# KiCad board processed.kicad_pcb (continued)
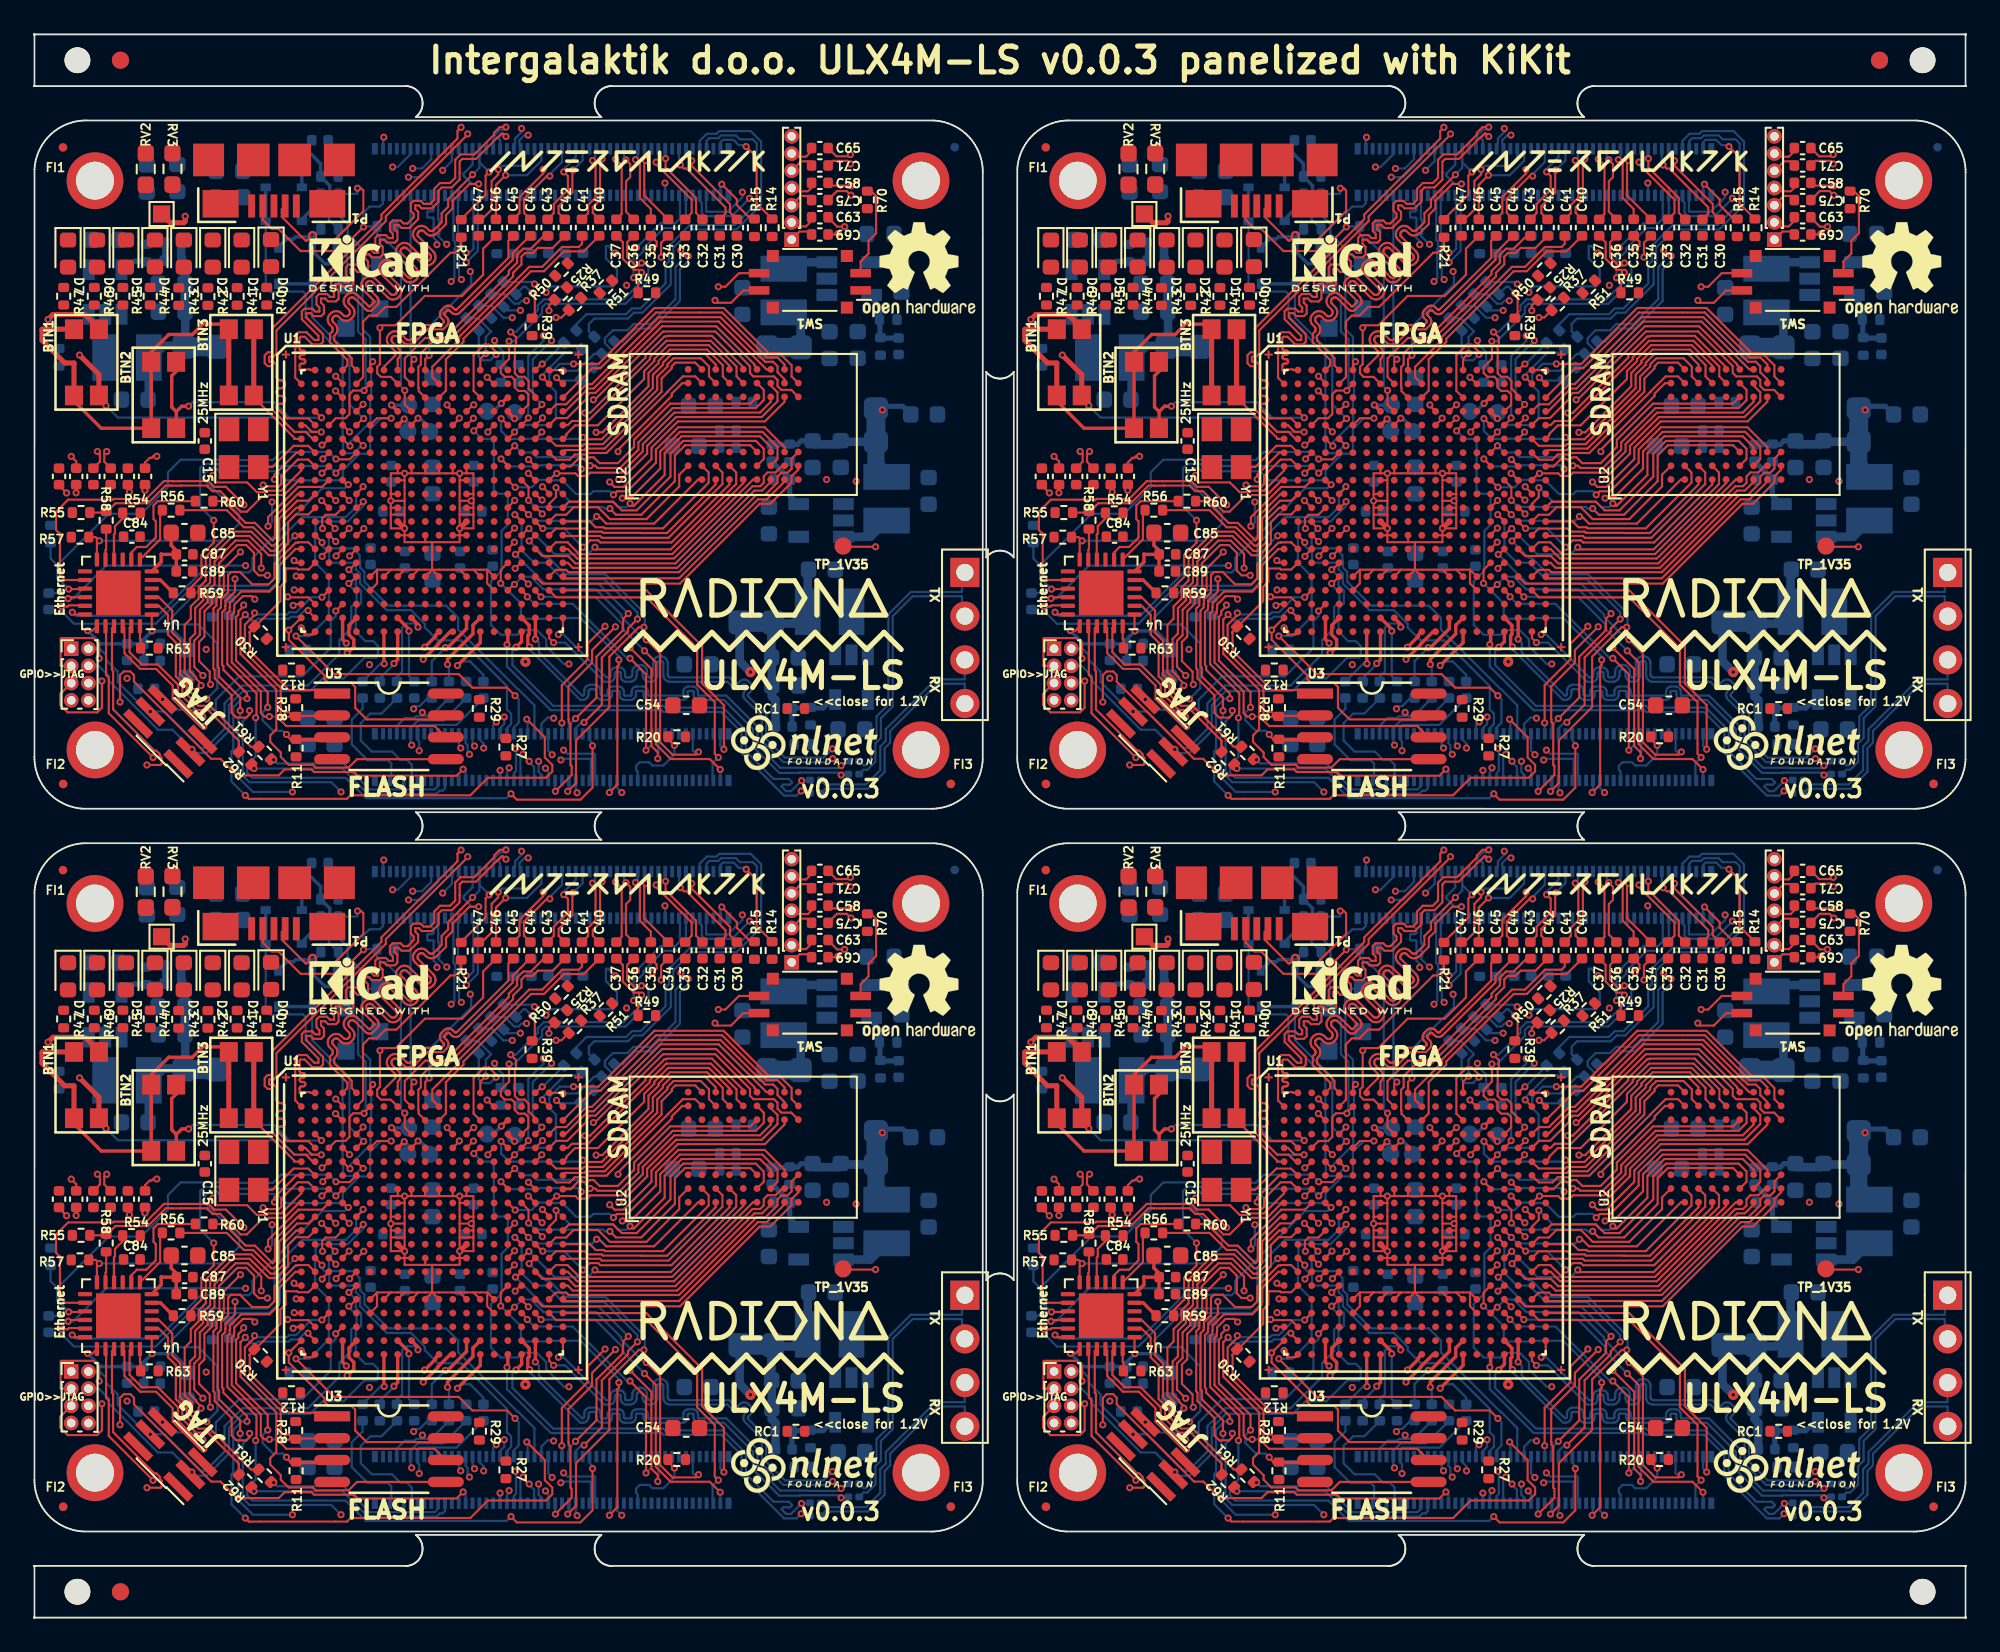
[diagram p0: board, top side]
## Placement (name value [footprint] x y rotation side) (continued)
TP_1V35#4  1V35  [Testpoint_smd_1mm]  104.1 20.21 0 top
TP_C16  C16  [Testpoint_smd_1mm]  26.3 70.15 0 bottom
TP_C16#2  C16  [Testpoint_smd_1mm]  83.41 70.15 0 bottom
TP_C16#3  C16  [Testpoint_smd_1mm]  26.3 28.15 0 bottom
TP_C16#4  C16  [Testpoint_smd_1mm]  83.41 28.15 0 bottom
TP_D8  D8  [Testpoint_smd_1mm]  21.75 70.51 0 bottom
TP_D8#2  D8  [Testpoint_smd_1mm]  78.86 70.51 0 bottom
TP_D8#3  D8  [Testpoint_smd_1mm]  21.75 28.5 0 bottom
TP_D8#4  D8  [Testpoint_smd_1mm]  78.86 28.5 0 bottom
TP_D16  D16  [Testpoint_smd_1mm]  27.91 70.08 0 bottom
TP_D16#2  D16  [Testpoint_smd_1mm]  85.02 70.08 0 bottom
TP_D16#3  D16  [Testpoint_smd_1mm]  27.91 28.08 0 bottom
TP_D16#4  D16  [Testpoint_smd_1mm]  85.02 28.08 0 bottom
TP_E8  E8  [Testpoint_smd_1mm]  21.7 69 0 bottom
TP_E8#2  E8  [Testpoint_smd_1mm]  78.81 69 0 bottom
TP_E8#3  E8  [Testpoint_smd_1mm]  21.7 27 0 bottom
TP_E8#4  E8  [Testpoint_smd_1mm]  78.81 27 0 bottom
TP_E9  E9  [Testpoint_smd_1mm]  22.97 68.98 0 bottom
TP_E9#2  E9  [Testpoint_smd_1mm]  80.08 68.98 0 bottom
TP_E9#3  E9  [Testpoint_smd_1mm]  22.97 26.97 0 bottom
TP_E9#4  E9  [Testpoint_smd_1mm]  80.08 26.97 0 bottom
U1  LFE5U-85F-6BG381C  [BGA-381_pitch0.8mm_dia0.4mm]  23.11 64.9 0 top
U1#2  LFE5U-85F-6BG381C  [BGA-381_pitch0.8mm_dia0.4mm]  80.22 64.9 0 top
U1#3  LFE5U-85F-6BG381C  [BGA-381_pitch0.8mm_dia0.4mm]  23.11 22.89 0 top
U1#4  LFE5U-85F-6BG381C  [BGA-381_pitch0.8mm_dia0.4mm]  80.22 22.89 0 top
U2  -  [IS42S16320D-6BLI]  41.19 69.34 90 top
U2#2  -  [IS42S16320D-6BLI]  98.3 69.34 90 top
U2#3  -  [IS42S16320D-6BLI]  41.19 27.33 90 top
U2#4  -  [IS42S16320D-6BLI]  98.3 27.33 90 top
U3  IS25LP128F-JBLE  [SOA008-150-208mil]  20.6 51.79 0 top
U3#2  IS25LP128F-JBLE  [SOA008-150-208mil]  77.71 51.79 0 top
U3#3  IS25LP128F-JBLE  [SOA008-150-208mil]  20.6 9.79 0 top
U3#4  IS25LP128F-JBLE  [SOA008-150-208mil]  77.71 9.79 0 top
U4  LAN8720A  [QFN-24-1EP_4x4mm_P0.5mm_EP2.6x2.6mm]  4.88 59.55 180 top
U4#2  LAN8720A  [QFN-24-1EP_4x4mm_P0.5mm_EP2.6x2.6mm]  61.99 59.55 180 top
U4#3  LAN8720A  [QFN-24-1EP_4x4mm_P0.5mm_EP2.6x2.6mm]  4.88 17.54 180 top
U4#4  LAN8720A  [QFN-24-1EP_4x4mm_P0.5mm_EP2.6x2.6mm]  61.99 17.54 180 top
U5  TLV62569DBV  [TSOT-25]  47.48 54.65 0 bottom
U5#2  TLV62569DBV  [TSOT-25]  104.59 54.65 0 bottom
U5#3  TLV62569DBV  [TSOT-25]  47.48 12.64 0 bottom
U5#4  TLV62569DBV  [TSOT-25]  104.59 12.64 0 bottom
U6  TLV62569DBV  [TSOT-25]  4.11 77.03 180 bottom
U6#2  TLV62569DBV  [TSOT-25]  61.22 77.03 180 bottom
U6#3  TLV62569DBV  [TSOT-25]  4.11 35.03 180 bottom
U6#4  TLV62569DBV  [TSOT-25]  61.22 35.03 180 bottom
U7  TLV62569DBV  [TSOT-25]  47.35 77.81 90 bottom
U7#2  TLV62569DBV  [TSOT-25]  104.46 77.81 90 bottom
U7#3  TLV62569DBV  [TSOT-25]  104.46 35.81 90 bottom
U7#4  TLV62569DBV  [TSOT-25]  47.35 35.81 90 bottom
U8  TLV62569DBV  [TSOT-25]  45.71 63.76 270 bottom
U8#2  TLV62569DBV  [TSOT-25]  102.82 63.76 270 bottom
U8#3  TLV62569DBV  [TSOT-25]  102.82 21.75 270 bottom
U8#4  TLV62569DBV  [TSOT-25]  45.71 21.75 270 bottom
Y1  FNETHE025  [Crystal_SMD_TXC_7M-4Pin_3.2x2.5mm]  12.16 67.96 270 top
Y1#2  FNETHE025  [Crystal_SMD_TXC_7M-4Pin_3.2x2.5mm]  69.27 67.96 270 top
Y1#3  FNETHE025  [Crystal_SMD_TXC_7M-4Pin_3.2x2.5mm]  69.27 25.95 270 top
Y1#4  FNETHE025  [Crystal_SMD_TXC_7M-4Pin_3.2x2.5mm]  12.16 25.95 270 top

## Footprints (pads in the part's own frame, mm; a bottom-side part is the same pattern mirrored in y, then rotated)
BGA-381_pitch0.8mm_dia0.4mm
  round 0.4 smd: A2(-6.8,7.6) A3(-6,7.6) A4(-5.2,7.6) A5(-4.4,7.6) A6(-3.6,7.6) A7(-2.8,7.6) A8(-2,7.6) A9(-1.2,7.6) A10(-0.4,7.6) A11(0.4,7.6) A12(1.2,7.6) A13(2,7.6) A14(2.8,7.6) A15(3.6,7.6) A16(4.4,7.6) A17(5.2,7.6) A18(6,7.6) A19(6.8,7.6) B1(-7.6,6.8) B2(-6.8,6.8) B3(-6,6.8) B4(-5.2,6.8) B5(-4.4,6.8) B6(-3.6,6.8) B7(-2.8,6.8) B8(-2,6.8) B9(-1.2,6.8) B10(-0.4,6.8) B11(0.4,6.8) B12(1.2,6.8) B13(2,6.8) B14(2.8,6.8) B15(3.6,6.8) B16(4.4,6.8) B17(5.2,6.8) B18(6,6.8) B19(6.8,6.8) B20(7.6,6.8) C1(-7.6,6) C2(-6.8,6) C3(-6,6) C4(-5.2,6) C5(-4.4,6) C6(-3.6,6) C7(-2.8,6) C8(-2,6) C9(-1.2,6) C10(-0.4,6) C11(0.4,6) C12(1.2,6) C13(2,6) C14(2.8,6) C15(3.6,6) C16(4.4,6) C17(5.2,6) C18(6,6) C19(6.8,6) C20(7.6,6) D1(-7.6,5.2) D2(-6.8,5.2) D3(-6,5.2) D4(-5.2,5.2) D5(-4.4,5.2) D6(-3.6,5.2) D7(-2.8,5.2) D8(-2,5.2) D9(-1.2,5.2) D10(-0.4,5.2) D11(0.4,5.2) D12(1.2,5.2) D13(2,5.2) D14(2.8,5.2) D15(3.6,5.2) D16(4.4,5.2) D17(5.2,5.2) D18(6,5.2) D19(6.8,5.2) D20(7.6,5.2) E1(-7.6,4.4) E2(-6.8,4.4) E3(-6,4.4) E4(-5.2,4.4) E5(-4.4,4.4) E6(-3.6,4.4) E7(-2.8,4.4) E8(-2,4.4) E9(-1.2,4.4) E10(-0.4,4.4) E11(0.4,4.4) E12(1.2,4.4) E13(2,4.4) E14(2.8,4.4) E15(3.6,4.4) E16(4.4,4.4) E17(5.2,4.4) E18(6,4.4) E19(6.8,4.4) E20(7.6,4.4) F1(-7.6,3.6) F2(-6.8,3.6) F3(-6,3.6) F4(-5.2,3.6) F5(-4.4,3.6) F6(-3.6,3.6) F7(-2.8,3.6) F8(-2,3.6) F9(-1.2,3.6) F10(-0.4,3.6) F11(0.4,3.6) F12(1.2,3.6) F13(2,3.6) F14(2.8,3.6) F15(3.6,3.6) F16(4.4,3.6) F17(5.2,3.6) F18(6,3.6) F19(6.8,3.6) F20(7.6,3.6) G1(-7.6,2.8) G2(-6.8,2.8) G3(-6,2.8) G4(-5.2,2.8) G5(-4.4,2.8) G6(-3.6,2.8) G7(-2.8,2.8) G8(-2,2.8) G9(-1.2,2.8) G10(-0.4,2.8) G11(0.4,2.8) G12(1.2,2.8) G13(2,2.8) G14(2.8,2.8) G15(3.6,2.8) G16(4.4,2.8) G17(5.2,2.8) G18(6,2.8) G19(6.8,2.8) G20(7.6,2.8) H1(-7.6,2) H2(-6.8,2) H3(-6,2) H4(-5.2,2) H5(-4.4,2) H6(-3.6,2) H7(-2.8,2) H8(-2,2) H9(-1.2,2) H10(-0.4,2) H11(0.4,2) H12(1.2,2) H13(2,2) H14(2.8,2) H15(3.6,2) H16(4.4,2) H17(5.2,2) H18(6,2) H19(6.8,2) H20(7.6,2) J1(-7.6,1.2) J2(-6.8,1.2) J3(-6,1.2) J4(-5.2,1.2) J5(-4.4,1.2) J6(-3.6,1.2) J7(-2.8,1.2) J8(-2,1.2) J9(-1.2,1.2) J10(-0.4,1.2) J11(0.4,1.2) J12(1.2,1.2) J13(2,1.2) J14(2.8,1.2) J15(3.6,1.2) J16(4.4,1.2) J17(5.2,1.2) J18(6,1.2) J19(6.8,1.2) J20(7.6,1.2) K1(-7.6,0.4) K2(-6.8,0.4) K3(-6,0.4) K4(-5.2,0.4) K5(-4.4,0.4) K6(-3.6,0.4) K7(-2.8,0.4) K8(-2,0.4) K9(-1.2,0.4) K10(-0.4,0.4) K11(0.4,0.4) K12(1.2,0.4) K13(2,0.4) K14(2.8,0.4) K15(3.6,0.4) K16(4.4,0.4) K17(5.2,0.4) K18(6,0.4) K19(6.8,0.4) K20(7.6,0.4) L1(-7.6,-0.4) L2(-6.8,-0.4) L3(-6,-0.4) L4(-5.2,-0.4) L5(-4.4,-0.4) L6(-3.6,-0.4) L7(-2.8,-0.4) L8(-2,-0.4) L9(-1.2,-0.4) L10(-0.4,-0.4) L11(0.4,-0.4) L12(1.2,-0.4) L13(2,-0.4) L14(2.8,-0.4) L15(3.6,-0.4) L16(4.4,-0.4) L17(5.2,-0.4) L18(6,-0.4) L19(6.8,-0.4) L20(7.6,-0.4) M1(-7.6,-1.2) M2(-6.8,-1.2) M3(-6,-1.2) M4(-5.2,-1.2) M5(-4.4,-1.2) M6(-3.6,-1.2) M7(-2.8,-1.2) M8(-2,-1.2) M9(-1.2,-1.2) M10(-0.4,-1.2) M11(0.4,-1.2) M12(1.2,-1.2) M13(2,-1.2) M14(2.8,-1.2) M15(3.6,-1.2) M16(4.4,-1.2) M17(5.2,-1.2) M18(6,-1.2) M19(6.8,-1.2) M20(7.6,-1.2) N1(-7.6,-2) N2(-6.8,-2) N3(-6,-2) N4(-5.2,-2) N5(-4.4,-2) N6(-3.6,-2) N7(-2.8,-2) N8(-2,-2) N9(-1.2,-2) N10(-0.4,-2) N11(0.4,-2) N12(1.2,-2) N13(2,-2) N14(2.8,-2) N15(3.6,-2) N16(4.4,-2) N17(5.2,-2) N18(6,-2) N19(6.8,-2) N20(7.6,-2) P1(-7.6,-2.8) P2(-6.8,-2.8) P3(-6,-2.8) P4(-5.2,-2.8) P5(-4.4,-2.8) P6(-3.6,-2.8) P7(-2.8,-2.8) P8(-2,-2.8) P9(-1.2,-2.8) P10(-0.4,-2.8) P11(0.4,-2.8) P12(1.2,-2.8) P13(2,-2.8) P14(2.8,-2.8) P15(3.6,-2.8) P16(4.4,-2.8) P17(5.2,-2.8) P18(6,-2.8) P19(6.8,-2.8) P20(7.6,-2.8) R1(-7.6,-3.6) R2(-6.8,-3.6) R3(-6,-3.6) R4(-5.2,-3.6) R5(-4.4,-3.6) R16(4.4,-3.6) R17(5.2,-3.6) R18(6,-3.6) R19(6.8,-3.6) R20(7.6,-3.6) T1(-7.6,-4.4) T2(-6.8,-4.4) T3(-6,-4.4) T4(-5.2,-4.4) T5(-4.4,-4.4) T6(-3.6,-4.4) T7(-2.8,-4.4) T8(-2,-4.4) T9(-1.2,-4.4) T10(-0.4,-4.4) T11(0.4,-4.4) T12(1.2,-4.4) T13(2,-4.4) T14(2.8,-4.4) T15(3.6,-4.4) T16(4.4,-4.4) T17(5.2,-4.4) T18(6,-4.4) T19(6.8,-4.4) T20(7.6,-4.4) U1(-7.6,-5.2) U2(-6.8,-5.2) U3(-6,-5.2) U4(-5.2,-5.2) U5(-4.4,-5.2) U6(-3.6,-5.2) U7(-2.8,-5.2) U8(-2,-5.2) U9(-1.2,-5.2) U10(-0.4,-5.2) U11(0.4,-5.2) U12(1.2,-5.2) U13(2,-5.2) U14(2.8,-5.2) U15(3.6,-5.2) U16(4.4,-5.2) U17(5.2,-5.2) U18(6,-5.2) U19(6.8,-5.2) U20(7.6,-5.2) V1(-7.6,-6) V2(-6.8,-6) V3(-6,-6) V4(-5.2,-6) V5(-4.4,-6) V6(-3.6,-6) V7(-2.8,-6) V8(-2,-6) V9(-1.2,-6) V10(-0.4,-6) V11(0.4,-6) V12(1.2,-6) V13(2,-6) V14(2.8,-6) V15(3.6,-6) V16(4.4,-6) V17(5.2,-6) V18(6,-6) V19(6.8,-6) V20(7.6,-6) W1(-7.6,-6.8) W2(-6.8,-6.8) W3(-6,-6.8) W4(-5.2,-6.8) W5(-4.4,-6.8) W6(-3.6,-6.8) W7(-2.8,-6.8) W8(-2,-6.8) W9(-1.2,-6.8) W10(-0.4,-6.8) W11(0.4,-6.8) W12(1.2,-6.8) W13(2,-6.8) W14(2.8,-6.8) W15(3.6,-6.8) W16(4.4,-6.8) W17(5.2,-6.8) W18(6,-6.8) W19(6.8,-6.8) W20(7.6,-6.8) Y2(-6.8,-7.6) Y3(-6,-7.6) Y5(-4.4,-7.6) Y6(-3.6,-7.6) Y7(-2.8,-7.6) Y8(-2,-7.6) Y11(0.4,-7.6) Y12(1.2,-7.6) Y14(2.8,-7.6) Y15(3.6,-7.6) Y16(4.4,-7.6) Y17(5.2,-7.6) Y19(6.8,-7.6)
  oval 0.127x0.508 smd: X(-8.5,8.5) X(-8.5,-8.5) X(8.5,8.5) X(8.5,-8.5)
  oval 0.508x0.127 smd: X(-8.5,8.5) X(-8.5,-8.5) X(8.5,8.5) X(8.5,-8.5)
C_0201_0603Metric
  rrect 0.318x0.36 smd: (-0.345,0) (0.345,0)
  rrect 0.46x0.4 smd: 1(-0.32,0) 2(0.32,0)
C_0402_1005Metric
  rrect 0.56x0.62 smd: 1(-0.48,0) 2(0.48,0)
C_0603_1608Metric
  rrect 0.9x0.95 smd: 1(-0.775,0) 2(0.775,0)
Crystal_SMD_TXC_7M-4Pin_3.2x2.5mm
  rect 1.4x1.2 smd: 1(-1.1,-0.85) 2(1.1,-0.85) 3(1.1,0.85) 4(-1.1,0.85)
D_SOD-323
  rect 0.6x0.45 smd: 1(-1.05,0) 2(1.05,0)
D_SOD-323_HandSoldering
  rect 1x1 smd: 1(-1.25,0) 2(1.25,0)
Fiducial
  round 1 smd: (0,0)
Fiducial_0.5mm_Mask1mm
  round 0.5 smd: (0,0)
HRS_DF40C-100DP-0.4V(51)
  rect 0.23x0.66 smd: 1(-9.8,1.355) 2(-9.8,-1.355) 3(-9.4,1.355) 4(-9.4,-1.355) 5(-9,1.355) 6(-9,-1.355) 7(-8.6,1.355) 8(-8.6,-1.355) 9(-8.2,1.355) 10(-8.2,-1.355) 11(-7.8,1.355) 12(-7.8,-1.355) 13(-7.4,1.355) 14(-7.4,-1.355) 15(-7,1.355) 16(-7,-1.355) 17(-6.6,1.355) 18(-6.6,-1.355) 19(-6.2,1.355) 20(-6.2,-1.355) 21(-5.8,1.355) 22(-5.8,-1.355) 23(-5.4,1.355) 24(-5.4,-1.355) 25(-5,1.355) 26(-5,-1.355) 27(-4.6,1.355) 28(-4.6,-1.355) 29(-4.2,1.355) 30(-4.2,-1.355) 31(-3.8,1.355) 32(-3.8,-1.355) 33(-3.4,1.355) 34(-3.4,-1.355) 35(-3,1.355) 36(-3,-1.355) 37(-2.6,1.355) 38(-2.6,-1.355) 39(-2.2,1.355) 40(-2.2,-1.355) 41(-1.8,1.355) 42(-1.8,-1.355) 43(-1.4,1.355) 44(-1.4,-1.355) 45(-1,1.355) 46(-1,-1.355) 47(-0.6,1.355) 48(-0.6,-1.355) 49(-0.2,1.355) 50(-0.2,-1.355) 51(0.2,1.355) 52(0.2,-1.355) 53(0.6,1.355) 54(0.6,-1.355) 55(1,1.355) 56(1,-1.355) 57(1.4,1.355) 58(1.4,-1.355) 59(1.8,1.355) 60(1.8,-1.355) 61(2.2,1.355) 62(2.2,-1.355) 63(2.6,1.355) 64(2.6,-1.355) 65(3,1.355) 66(3,-1.355) 67(3.4,1.355) 68(3.4,-1.355) 69(3.8,1.355) 70(3.8,-1.355) 71(4.2,1.355) 72(4.2,-1.355) 73(4.6,1.355) 74(4.6,-1.355) 75(5,1.355) 76(5,-1.355) 77(5.4,1.355) 78(5.4,-1.355) 79(5.8,1.355) 80(5.8,-1.355) 81(6.2,1.355) 82(6.2,-1.355) 83(6.6,1.355) 84(6.6,-1.355) 85(7,1.355) 86(7,-1.355) 87(7.4,1.355) 88(7.4,-1.355) 89(7.8,1.355) 90(7.8,-1.355) 91(8.2,1.355) 92(8.2,-1.355) 93(8.6,1.355) 94(8.6,-1.355) 95(9,1.355) 96(9,-1.355) 97(9.4,1.355) 98(9.4,-1.355) 99(9.8,1.355) 100(9.8,-1.355)
  rect 0.35x0.66 smd: S1(-10.275,1.355) S2(-10.275,-1.355) S3(10.275,1.355) S4(10.275,-1.355)
IS42S16320D-6BLI
  round 0.4 smd: A1(-3.2,3.2) A2(-2.4,3.2) A3(-1.6,3.2) A7(1.6,3.2) A8(2.4,3.2) A9(3.2,3.2) B1(-3.2,2.4) B2(-2.4,2.4) B3(-1.6,2.4) B7(1.6,2.4) B8(2.4,2.4) B9(3.2,2.4) C1(-3.2,1.6) C2(-2.4,1.6) C3(-1.6,1.6) C7(1.6,1.6) C8(2.4,1.6) C9(3.2,1.6) D1(-3.2,0.8) D2(-2.4,0.8) D3(-1.6,0.8) D7(1.6,0.8) D8(2.4,0.8) D9(3.2,0.8) E1(-3.2,0) E2(-2.4,0) E3(-1.6,0) E7(1.6,0) E8(2.4,0) E9(3.2,0) F1(-3.2,-0.8) F2(-2.4,-0.8) F3(-1.6,-0.8) F7(1.6,-0.8) F8(2.4,-0.8) F9(3.2,-0.8) G1(-3.2,-1.6) G2(-2.4,-1.6) G3(-1.6,-1.6) G7(1.6,-1.6) G8(2.4,-1.6) G9(3.2,-1.6) H1(-3.2,-2.4) H2(-2.4,-2.4) H3(-1.6,-2.4) H7(1.6,-2.4) H8(2.4,-2.4) H9(3.2,-2.4) J1(-3.2,-3.2) J2(-2.4,-3.2) J3(-1.6,-3.2) J7(1.6,-3.2) J8(2.4,-3.2) J9(3.2,-3.2)
L_0603_1608Metric
  rrect 0.875x0.95 smd: 1(-0.787,0) 2(0.787,0)
L_1008_1210
  rect 1.5x2.7 smd: 1(-1.27,0) 2(1.27,0)
LED_0603_1608Metric
  rrect 0.875x0.95 smd: 1(-0.787,0) 2(0.787,0)
MountingHole_3.2mm_M3_ISO14580_Pad
  round 3.3 hole 2.2: 1(0,0)
NPTH
  round 1.5 hole 1.5 unplated: (0,0)
PinHeader_1x04_P2.54mm_Vertical
  rect 1.7x1.7 hole 1: 1(0,0)
  oval 1.7x1.7 hole 1: 2(0,-2.54) 3(0,-5.08) 4(0,-7.62)
PinHeader_1x07_P1.00mm_Vertical
  rect 0.85x0.85 hole 0.5: 1(0,0)
  oval 0.85x0.85 hole 0.5: 2(0,-1) 3(0,-2) 4(0,-3) 5(0,-4) 6(0,-5) 7(0,-6)
PinHeader_2x03_P1.00mm_Vertical_SMD
  rect 2x0.5 smd: 1(-1.65,1) 2(1.65,1) 3(-1.65,0) 4(1.65,0) 5(-1.65,-1) 6(1.65,-1)
PinHeader_2x04_P1.00mm_Vertical
  rect 0.85x0.85 hole 0.5: 1(0,0)
  oval 0.85x0.85 hole 0.5: 2(1,0) 3(0,-1) 4(1,-1) 5(0,-2) 6(1,-2) 7(0,-3) 8(1,-3)
QFN-24-1EP_4x4mm_P0.5mm_EP2.6x2.6mm
  rrect 1.05x1.05 smd: (-0.65,0.65) (-0.65,-0.65) (0.65,0.65) (0.65,-0.65)
  rrect 0.825x0.25 smd: 1(-1.938,1.25) 2(-1.938,0.75) 3(-1.938,0.25) 4(-1.938,-0.25) 5(-1.938,-0.75) 6(-1.938,-1.25) 13(1.938,-1.25) 14(1.938,-0.75) 15(1.938,-0.25) 16(1.938,0.25) 17(1.938,0.75) 18(1.938,1.25)
  rrect 0.25x0.825 smd: 7(-1.25,-1.938) 8(-0.75,-1.938) 9(-0.25,-1.938) 10(0.25,-1.938) 11(0.75,-1.938) 12(1.25,-1.938) 19(1.25,1.938) 20(0.75,1.938) 21(0.25,1.938) 22(-0.25,1.938) 23(-0.75,1.938) 24(-1.25,1.938)
  rect 2.6x2.6 smd: 25(0,0)
R_0402_1005Metric
  rrect 0.54x0.64 smd: 1(-0.51,0) 2(0.51,0)
R_0603_1608Metric_Pad0.98x0.95mm_HandSolder
  rrect 0.975x0.95 smd: 1(-0.912,0) 2(0.912,0)
R_0805_2012Metric_Pad1.29x1.40mm_HandSolder_Jumper_NC
  rrect 1.295x1.4 smd: 1(-0.968,0) 2(0.968,0)
SOA008-150-208mil
  rect 2.1x0.6 smd: 1(-3.302,1.905)
  oval 2.1x0.6 smd: 2(-3.302,0.635) 3(-3.302,-0.635) 4(-3.302,-1.905) 5(3.302,-1.905) 6(3.302,-0.635) 7(3.302,0.635) 8(3.302,1.905)
SW_DIP_SPSTx02_Slide_Copal_CVS-02xB_W5.9mm_P1mm
  rect 1.2x0.5 smd: 1(-2.95,0.5) 2(-2.95,-0.5) 3(2.95,-0.5) 4(2.95,0.5)
  rect 0.7x0.7 smd: 5(-2.15,1.5) 5(-2.15,-1.5) 5(2.15,1.5) 5(2.15,-1.5)
Switch_EVPAA
  rect 1.15x1.05 smd: 1(-1.925,0.725) 1(1.925,0.725) 2(-1.925,-0.725) 2(1.925,-0.725)
TestPoint_Pad_1.0x1.0mm
  rect 1x1 smd: 1(0,0)
Testpoint_smd_1mm
  round 1 smd: 1(0,0.051)
TSOT-25
  rect 0.7x1.2 smd: 1(-0.95,-1.3) 2(0,-1.3) 3(0.95,-1.3) 4(0.95,1.3) 5(-0.95,1.3)
USB-MICRO-B-FCI-10118192-0001LF
  rect 0.4x1.35 smd: 1(-1.3,2.675) 2(-0.65,2.675) 3(0,2.675) 4(0.65,2.675) 5(1.3,2.675)
  rect 1.8x1.9 smd: 6(-3.8,0) 6(3.8,0)
  rect 2.1x1.6 smd: 6(-3.1,2.55) 6(3.1,2.55)
  rect 1.9x1.9 smd: 6(-1.2,0) 6(1.2,0)

## Nets
Board_0-/ethernet/VDDCR: C85.1 C87.1 C89.1 U4.6
Board_0-/power/P1V1: C2.1 C3.1 C4.1 C22.1 L1.2
Board_0-/power/P1V35: C77.1 C95.1 C96.1 L4.2 RP4.1
Board_0-/power/P2V5: C10.1 C11.1 C12.1 C23.1 L2.2
Board_0-/power/P3V3: L3.2 RP3.1
Board_1-/ethernet/VDDCR: C85#2.1 C87#2.1 C89#2.1 U4#2.6
Board_1-/power/P1V1: C2#2.1 C3#2.1 C4#2.1 C22#2.1 L1#2.2
Board_1-/power/P1V35: C77#2.1 C95#2.1 C96#2.1 L4#2.2 RP4#2.1
Board_1-/power/P2V5: C10#2.1 C11#2.1 C12#2.1 C23#2.1 L2#2.2
Board_1-/power/P3V3: L3#2.2 RP3#2.1
Board_2-/ethernet/VDDCR: C85#3.1 C87#3.1 C89#3.1 U4#3.6
Board_2-/power/P1V1: C2#3.1 C3#3.1 C4#3.1 C22#3.1 L1#3.2
Board_2-/power/P1V35: C77#3.1 C95#3.1 C96#3.1 L4#3.2 RP4#3.1
Board_2-/power/P2V5: C10#3.1 C11#3.1 C12#3.1 C23#3.1 L2#3.2
Board_2-/power/P3V3: L3#3.2 RP3#3.1
Board_3-/ethernet/VDDCR: C85#4.1 C87#4.1 C89#4.1 U4#4.6
Board_3-/power/P1V1: C2#4.1 C3#4.1 C4#4.1 C22#4.1 L1#4.2
Board_3-/power/P1V35: C77#4.1 C95#4.1 C96#4.1 L4#4.2 RP4#4.1
Board_3-/power/P2V5: C10#4.1 C11#4.1 C12#4.1 C23#4.1 L2#4.2
Board_3-/power/P3V3: L3#4.2 RP3#4.1
Board_0-+1V1: 1.1V_1.1 RP1.2 U1.H8 U1.H9 U1.H10 U1.H11 U1.H12 U1.H13 U1.J8 U1.J13 U1.K8 U1.K13 U1.L8 U1.L13 U1.M8 U1.M13 U1.N8 U1.N9 U1.N10 U1.N12 U1.N13 U1.T6 U1.T7 U1.T8 U1.T9 U1.T10 U1.T11 U1.T13 U1.T14 U1.T15 U1.U6 U1.U15
Board_0-+1V35: C98.1 RP4.2 TP_1V35.1
Board_0-+3.3VA: C86.1 C88.1 C90.1 FB1.2 U4.1 U4.19
Board_0-/ethernet/ACTLED: R61.2 U4.3
Board_0-/ethernet/LINKLED: R62.2 U4.2
Board_0-/ethernet/RBIAS: R63.1 U4.24
Board_0-/ethernet/XTAL: R59.1 U4.5
Board_0-/flash/FLASH_MISO: U1.V2 U3.2
Board_0-/flash/FLASH_MOSI: U1.W2 U3.5
Board_0-/flash/FLASH_nCS: U1.R2 U3.1
Board_0-/flash/FLASH_nHOLD: U1.W1 U3.7
Board_0-/flash/FLASH_nWP: U1.Y2 U3.3
Board_0-/flash/FLASH_SCK: U1.U3 U3.6
Board_0-/gpio/CAM0_D0_LP: R21.2 U1.B5
Board_0-/power/FB1: C2.2 U5.5
Board_0-/power/FB2: C10.2 U6.5
Board_0-/power/FB3: C6.2 U7.5
Board_0-/power/FB4: C77.2 U8.5
Board_0-/power/L3: L3.1 U7.3
Board_0-/power/L4: L4.1 U8.3
Board_0-/serdes/1N: C91.1 J4.1
Board_0-/serdes/1P: C92.1 J4.2
Board_0-/serdes/2N: C93.1 J4.3
Board_0-/serdes/2P: C94.1 J4.4
Board_0-/serdes/CLK_0_N: C66.1 U1.Y12
Board_0-/serdes/CLK_0_P: C59.2 U1.Y11
Board_0-/serdes/CLK_1_N: C69.1 U1.W20
Board_0-/serdes/CLK_1_P: C63.2 U1.Y19
Board_0-/serdes/S_1_N: C68.1 U1.Y8
Board_0-/serdes/S_1_P: C62.2 U1.Y7
Board_0-/serdes/S_2_N: C72.1 U1.W5
Board_0-/serdes/S_2_P: C55.2 U1.W4
Board_0-/serdes/S_3_N: C73.1 U1.W9
Board_0-/serdes/S_3_P: C56.2 U1.W8
Board_0-/serdes/S_4_P: C64.2 U1.Y14
Board_0-/serdes/S_5_N: C71.1 C93.2 U1.Y17
Board_0-/serdes/S_5_P: C65.2 C94.2 U1.Y16
Board_0-/serdes/S_6_N: C74.1 U1.W14
Board_0-/serdes/S_6_P: C57.2 U1.W13
Board_0-/serdes/S_7_N: C75.1 C91.2 U1.W18
Board_0-/serdes/S_7_P: C58.2 C92.2 U1.W17
Board_0-BTN1: BTN1.2 U1.E1
Board_0-BTN2: BTN2.2 U1.D2
Board_0-BTN3: BTN3.2 U1.F1
Board_0-CAM0_C_N: J2.40 U1.E2
Board_0-CAM0_C_P: J2.42 U1.F2
Board_0-CAM0_D0_N: J2.28 U1.A5
Board_0-CAM0_D0_P: J2.30 R21.1 U1.A4
Board_0-CAM0_D1_N: J2.34 U1.B1
Board_0-CAM0_D1_P: J2.36 U1.A2
Board_0-CAM1_C_N: J2.27 U1.F3
Board_0-CAM1_C_P: J2.29 U1.G3
Board_0-CAM1_D0_N: J2.15 U1.B4
Board_0-CAM1_D0_P: J2.17 U1.C4
Board_0-CAM1_D1_N: J2.21 U1.D5
Board_0-CAM1_D1_P: J2.23 U1.E4
Board_0-Camera_GPIO: J1.97 U1.U19
Board_0-CLK_25MHz: U1.G2 Y1.3
Board_0-CM4_1.8V: J1.88 J1.90
Board_0-DSI0_C_N: J2.87 R38.2 R39.1
Board_0-DSI0_C_P: J2.89 R26.1 R49.1
Board_0-DSI0_D1_P: J2.83 R24.1 R52.1
Board_0-DSI1_D2_N: J2.93 R34.2
Board_0-DSI1_D2_P: J2.95 R22.1
Board_0-DSI1_D3_N: J2.94 R35.2
Board_0-DSI1_D3_P: J2.96 R23.1
Board_0-ETH_0N: C70.2 J1.10 U4.20
Board_0-ETH_0P: C64.1 J1.12 U4.21
Board_0-ETH_1N: C74.2 J1.6 U4.22
Board_0-ETH_1P: C57.1 U4.23
Board_0-ETH_2N: C73.2 J1.9
Board_0-ETH_3P: C62.1 J1.3
Board_0-ETH_MDIO: R57.2 U1.E6 U4.12
Board_0-ETH_nLED1: J1.19 R62.1
Board_0-ETH_nLED2: J1.17 R61.1
Board_0-ETH_~{RESET}: C83.2 R53.2 U1.G5 U4.15
Board_0-FPDI_D1+: C35.1 U1.D18
Board_0-FPDI_D1-: C34.1 U1.E17
Board_0-FPDI_D2+: C37.1 U1.C18
Board_0-FPDI_D2-: C36.1 U1.D17
Board_0-GLOBAL_EN: J1.99 U1.U18
Board_0-GN0: C40.1 U1.C11
Board_0-GN3: C42.1 U1.C10
Board_0-GN4: C44.1 U1.A8
Board_0-GN5: C46.1 U1.B8
Board_0-GP0: C41.1 U1.B11
Board_0-GP3: C43.1 U1.B9
Board_0-GP4: C45.1 U1.A7
Board_0-GPIO2: J1.58 U1.M17
Board_0-GPIO3: J1.56 U1.P17
Board_0-GPIO4: J1.54 U1.P16
Board_0-GPIO5: J1.34 U1.N1
Board_0-GPIO6: J1.30 U1.R1
Board_0-GPIO7: J1.37 U1.P3
Board_0-GPIO8: J1.39 U1.P4
Board_0-GPIO9: J1.40 U1.L5
Board_0-GPIO10: J1.44 U1.K4
Board_0-GPIO11: J1.38 U1.N2
Board_0-GPIO12: J6.3 U1.L2
Board_0-GPIO13: J1.28 U1.T1
Board_0-GPIO14: J1.55 U1.N18
Board_0-GPIO15: J1.51 U1.N16
Board_0-GPIO16: J6.5 U1.L1
Board_0-GPIO17: J1.50 U1.H3
Board_0-GPIO18: J1.49 U1.N5
Board_0-GPIO19: J1.26 U1.U1
Board_0-GPIO20: J6.1 U1.L3
Board_0-GPIO21: J1.25 J6.7 U1.L4
Board_0-GPIO22: J1.46 U1.M3
Board_0-GPIO23: J1.47 U1.N4
Board_0-GPIO24: J1.45 U1.N3
Board_0-GPIO25: J1.41 U1.P5
Board_0-GPIO26: J1.24 U1.V1
Board_0-GPIO27: J1.48 U1.R17
Board_0-HDMI0_CLK_N: C30.2 J2.90
Board_0-HDMI0_CLK_P: C31.2 J2.88
Board_0-HDMI0_SCL: J2.100 R14.2
Board_0-HDMI0_SDA: J2.99 R15.2
Board_0-HDMI0_TX0_N: C32.2 J2.84
Board_0-HDMI0_TX0_P: C33.2 J2.82
Board_0-HDMI0_TX1_N: C34.2 J2.78
Board_0-HDMI0_TX1_P: C35.2 J2.76
Board_0-HDMI0_TX2_N: C36.2 J2.72
Board_0-HDMI0_TX2_P: C37.2 J2.70
Board_0-HDMI1_CLK_N: C40.2 J2.66
Board_0-HDMI1_CLK_P: C41.2 J2.64
Board_0-HDMI1_TX0_N: C42.2 J2.60
Board_0-HDMI1_TX0_P: C43.2 J2.58
Board_0-HDMI1_TX1_N: C44.2 J2.54
Board_0-HDMI1_TX1_P: C45.2 J2.52
Board_0-HDMI1_TX2_N: C46.2 J2.48
Board_0-HDMI1_TX2_P: C47.2 J2.46
Board_0-ID_SC: J1.35 U1.J3
Board_0-ID_SD: J1.36 U1.H1
Board_0-JTAG_TCK: J6.2 U1.T5
Board_0-JTAG_TDI: J6.4 U1.R5
Board_0-JTAG_TDO: J6.6 U1.V4
Board_0-Net-(BTN1-Pad1): BTN1.1 BTN2.1 BTN3.1
Board_0-Net-(D10-Pad1): D10.1 R4.1
Board_0-Net-(D11-Pad2): D11.2 R5.1
Board_0-Net-(D12-Pad1): D12.1 R6.1
Board_0-Net-(D13-Pad2): D13.2 R7.1
Board_0-Net-(R22-Pad2): R22.2 U1.A19
Board_0-Net-(R23-Pad2): R23.2 U1.A18
Board_0-Net-(R24-Pad2): R24.2 U1.A14
Board_0-Net-(R25-Pad2): R25.2 U1.D13
Board_0-Net-(R26-Pad2): R26.2 U1.D12
Board_0-Net-(R34-Pad1): R34.1 U1.B20
Board_0-Net-(R35-Pad1): R35.1 U1.B19
Board_0-Net-(R36-Pad1): R36.1 U1.C14
Board_0-Net-(R37-Pad1): R37.1 U1.E13
Board_0-Net-(R38-Pad1): R38.1 U1.E12
Board_0-Net-(R54-Pad1): R54.1 U4.10
Board_0-Net-(R56-Pad1): R56.1 U4.7
Board_0-Net-(R58-Pad2): R58.2 U4.11
Board_0-Net-(R60-Pad1): R60.1 U4.8
Board_0-Net-(R70-Pad2): R70.2 SW1.2
Board_0-Net-(TP_C16-Pad1): TP_C16.1 U1.C16
Board_0-Net-(TP_D8-Pad1): TP_D8.1 U1.D8
Board_0-Net-(TP_D16-Pad1): TP_D16.1 U1.D16
Board_0-Net-(TP_E8-Pad1): TP_E8.1 U1.E8
Board_0-Net-(TP_E9-Pad1): TP_E9.1 U1.E9
Board_0-nEXTRST: J1.100 U1.U20
Board_0-PCIe_CLK_nREQ: J2.2 U1.A10
Board_0-PCIe_CLK_P: C59.1 J2.10
Board_0-PCIe_nRST: J2.9 U1.A9
Board_0-PCIe_RX_N: C67.2 J2.18
Board_0-PCIe_RX_P: C61.1 J2.16
Board_0-PCIe_TX_P: C55.1 J2.22
Board_0-RGMII_REF_CLK: U1.H2 U4.14
Board_0-RGMII_RX_DV: R55.2 R58.1 U1.J1
Board_0-RGMII_RXD0: R60.2 U1.K1
Board_0-RGMII_RXD1: R56.2 U1.K2
Board_0-RGMII_TX_CLK: R59.2 U1.H4
Board_0-RGMII_TX_EN: U1.K3 U4.16
Board_0-RGMII_TXD0: U1.K5 U4.17
Board_0-RGMII_TXD1: U1.J4 U4.18
Board_0-RUN_PG: J1.92 U1.U16
Board_0-SCL0: J1.80 U1.U17
Board_0-SD_CLK: J1.57 U1.G1
Board_0-SD_CMD: J1.62 U1.P1
Board_0-SD_D0: J1.63 U1.B15
Board_0-SD_D1: J1.67 U1.R16
Board_0-SD_D2: J1.69 U1.E14
Board_0-SD_D3: J1.61 U1.P2
Board_0-SD_PWR_ON: J1.75 R20.1 U1.E15
Board_0-SDA0: J1.82 U1.T17
Board_0-SDRAM_A0: U1.H16 U2.H7
Board_0-SDRAM_A1: U1.D19 U2.H8
Board_0-SDRAM_A2: U1.F16 U2.J8
Board_0-SDRAM_A3: U1.E18 U2.J7
Board_0-SDRAM_A4: U1.T19 U2.J3
Board_0-SDRAM_A5: U1.T18 U2.J2
Board_0-SDRAM_A6: U1.J16 U2.H3
Board_0-SDRAM_A7: U1.P18 U2.H2
Board_0-SDRAM_A8: U1.T20 U2.H1
Board_0-SDRAM_A9: U1.L19 U2.G3
Board_0-SDRAM_A10: U1.C20 U2.H9
Board_0-SDRAM_A11: U1.K19 U2.G2
Board_0-SDRAM_A12: U1.R20 U2.G1
Board_0-SDRAM_BA0: U1.J19 U2.G7
Board_0-SDRAM_BA1: U1.L16 U2.G8
Board_0-SDRAM_CKE: U1.J17 U2.F3
Board_0-SDRAM_CLK: U1.L20 U2.F2
Board_0-SDRAM_D0: U1.J18 U2.A8
Board_0-SDRAM_D1: U1.G20 U2.B9
Board_0-SDRAM_D2: U1.G19 U2.B8
Board_0-SDRAM_D3: U1.E16 U2.C9
Board_0-SDRAM_D4: U1.F19 U2.C8
Board_0-SDRAM_D5: U1.F20 U2.D9
Board_0-SDRAM_D6: U1.H18 U2.D8
Board_0-SDRAM_D7: U1.F18 U2.E9
Board_0-SDRAM_D8: U1.P19 U2.E1
Board_0-SDRAM_D9: U1.N17 U2.D2
Board_0-SDRAM_D10: U1.M18 U2.D1
Board_0-SDRAM_D11: U1.N20 U2.C2
Board_0-SDRAM_D12: U1.N19 U2.C1
Board_0-SDRAM_D13: U1.M20 U2.B2
Board_0-SDRAM_D14: U1.M19 U2.A2
Board_0-SDRAM_D15: U1.L17 U2.B1
Board_0-SDRAM_DQM0: U1.E20 U2.E8
Board_0-SDRAM_DQM1: U1.P20 U2.F1
Board_0-SDRAM_nCAS: U1.H20 U2.F7